# Altium PCB Fastino-DIOT.PCBDOC (part 14 of 22)
Units mm, origin at the board's own origin, x right, y up, seen from the top; angles counter-clockwise.
Board outline 222.63 x 100.1 mm, 8 copper layers (L1, L2, L3, P4, L5, L6, P7, L8), stack 1.563 mm thick; 1030 components, 787 nets, 3312 pads, 2498 vias.
Unrouted connection lines stored in the file: 424.
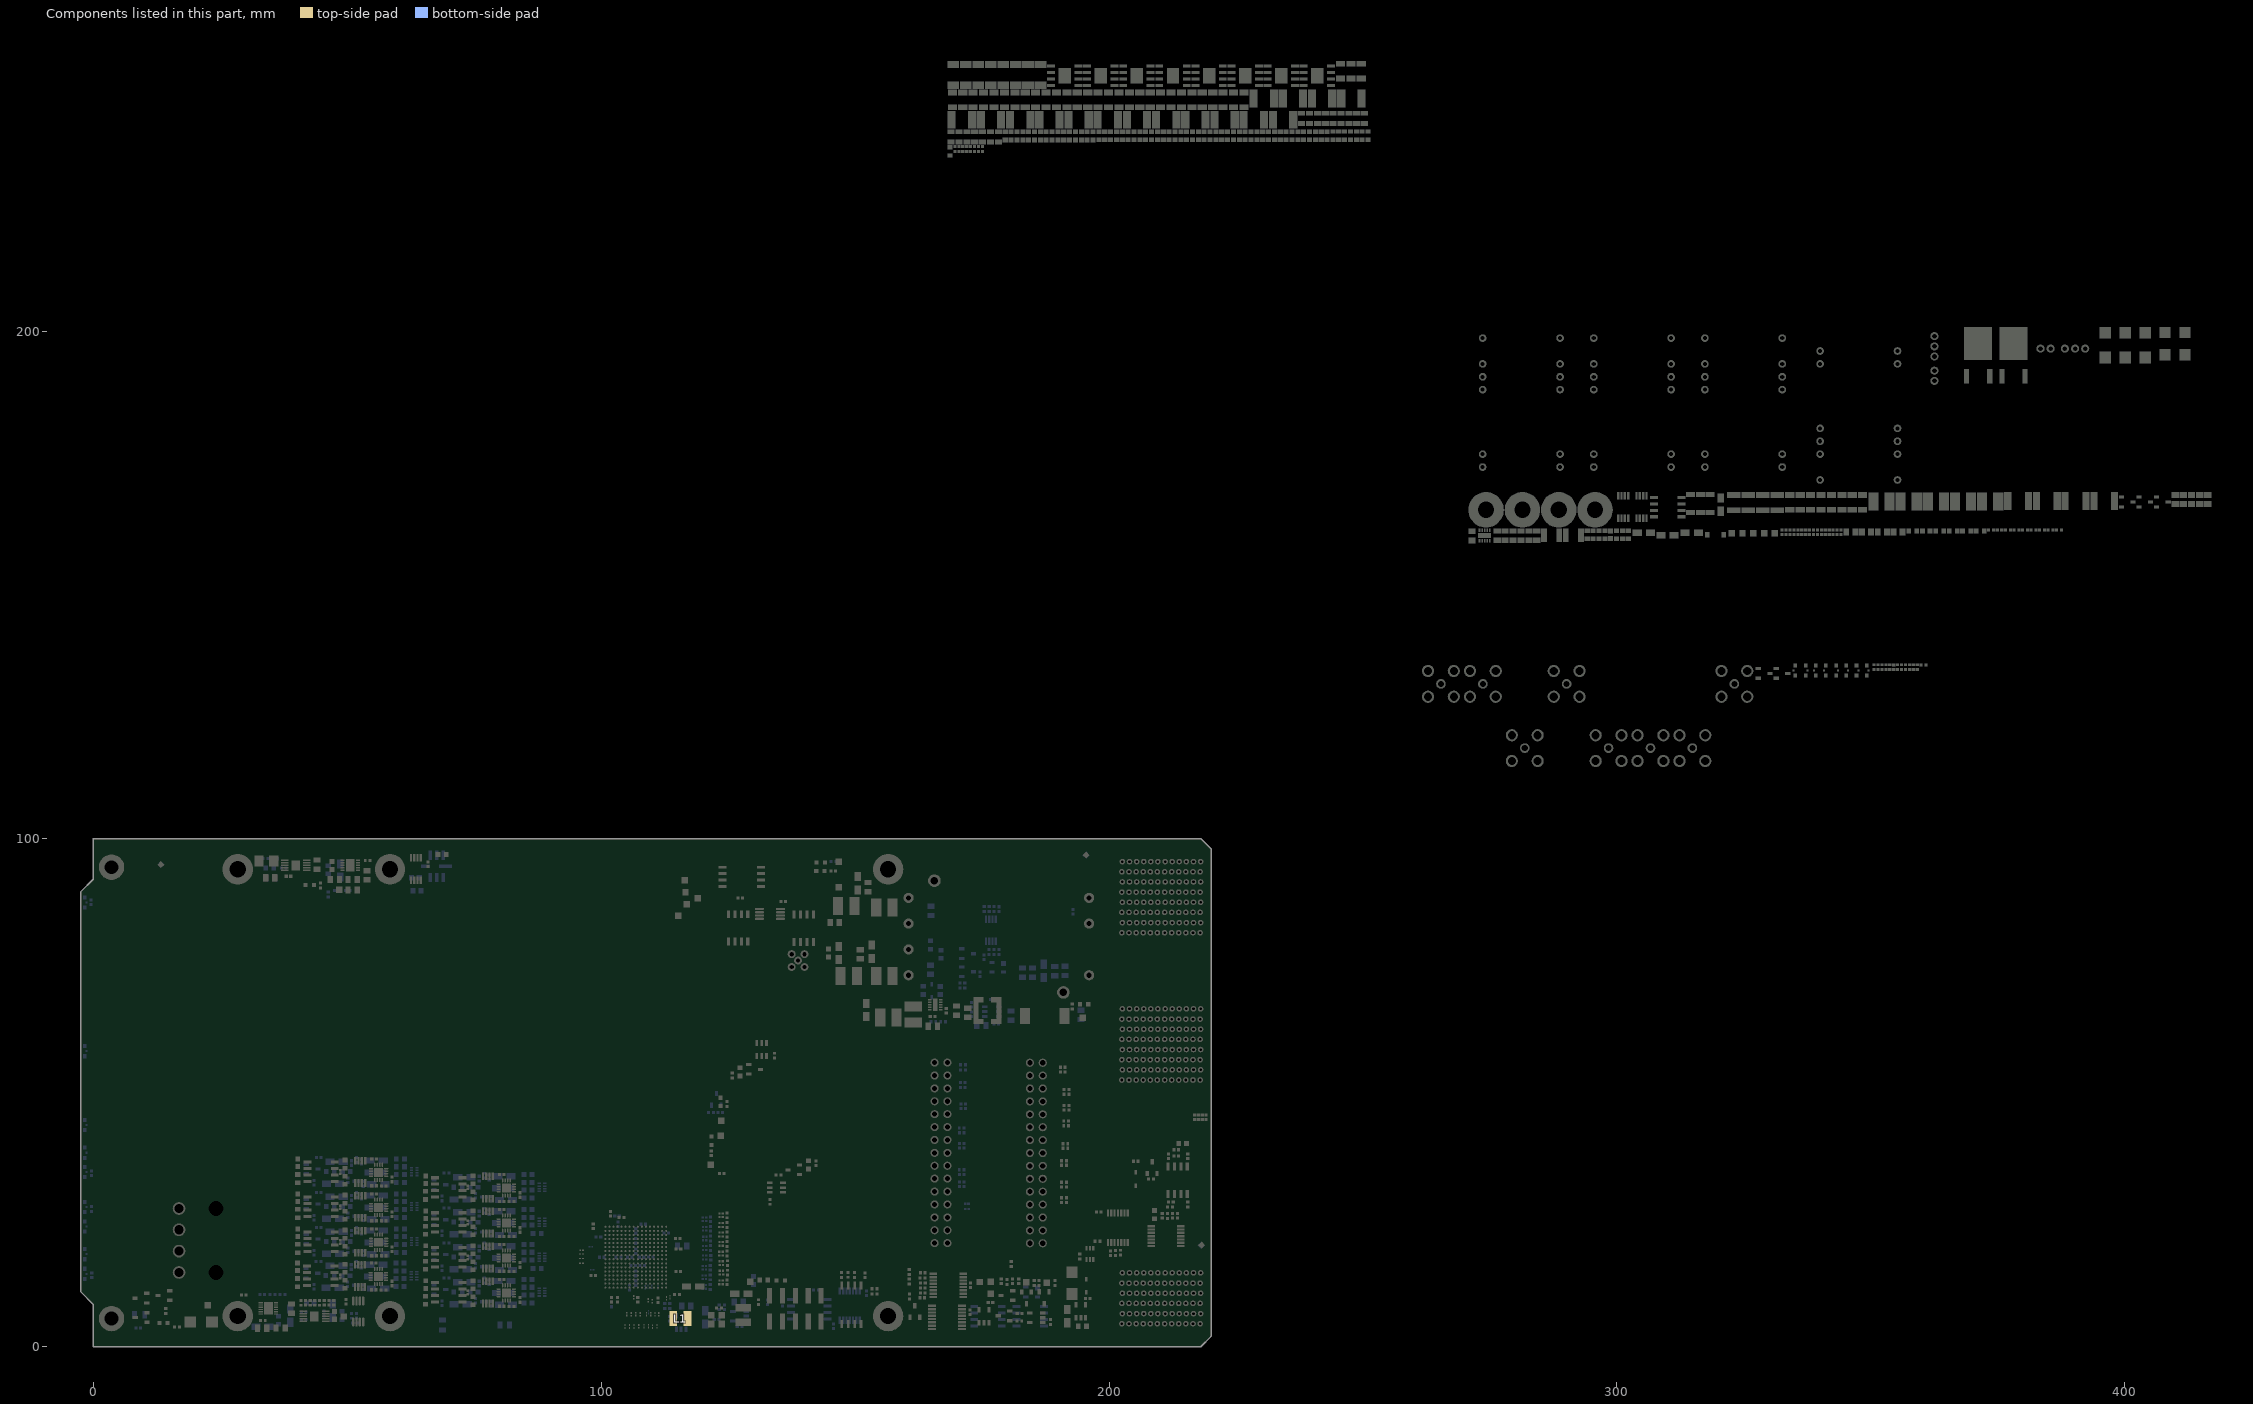
[diagram p20: the components of this part, seen from the top]

## Via types
v1: diameter 0.4, hole 0.2, L1 to L8, tented both sides, 1919 vias
v2: diameter 0.5, hole 0.2, L1 to L8, tented both sides, 270 vias
v3: diameter 0.4, hole 0.2, L1 to L8, 170 vias
v4: diameter 0.7, hole 0.4, L1 to L8, tented both sides, 110 vias
v5: diameter 0.7, hole 0.4, L1 to L8, 29 vias

## Nets (pads, with @x,y where several pads share a name; then routed paths per layer and width w, separated by ;. In a path a pad name is that pad's centre, name@x,y a point inside that pad or via, vN(x,y) a via of type N, cw(c..) or ccw(c..) an arc to the next point about the centre after c; other vN are vias at no path point) (continued)
copper on no net: (continued)
  L1 w0.127: v1(8.176,79.848) 8.227,79.9 11.953,79.9 12.005,79.848 12.328,79.848 12.38,79.9 18.11,79.9 ; v1(8.296,20.366) 8.299,20.363 8.985,20.363 9.049,20.3 15.6,20.3 ; v1(9.195,25.349) 12.244,22.3 18.11,22.3 ; v1(9.617,19.909) 11.593,19.909 11.673,19.99 13.515,19.99 13.605,19.9 18.11,19.9 ; v1(10.074,41.596) 10.081,41.589 10.627,41.589 10.716,41.5 11.948,41.5 11.954,41.494 12.278,41.494 12.283,41.5 18.11,41.5 ; v1(10.074,60.163) 12.776,60.163 12.912,60.3 15.6,60.3 ; v1(10.465,41.199) 10.564,41.1 15.6,41.1 ; v1(10.855,62.29) 10.865,62.3 18.11,62.3 ; v1(11.074,21.488) 11.084,21.498 18.108,21.498 18.11,21.5 ; v1(11.255,40.319) 11.297,40.361 11.759,40.361 11.801,40.319 12.124,40.319 12.166,40.361 13.13,40.361 13.19,40.3 15.6,40.3 ; v1(11.312,59.773) 11.365,59.825 11.625,59.825 11.701,59.9 18.11,59.9 ; v1(11.557,21.107) 11.561,21.104 15.596,21.104 15.6,21.1 ; v1(12.116,41.885) 12.123,41.892 15.592,41.892 15.6,41.9 ; v1(12.167,80.239) 12.197,80.269 15.569,80.269 15.6,80.3 ; v1(12.344,39.97) 12.397,39.918 12.505,39.918 12.523,39.9 18.11,39.9 ; v1(12.506,42.393) 14.666,42.393 14.758,42.3 18.11,42.3 ; 18.11,77.5 18.775,77.5 18.878,77.603 18.878,77.652 18.986,77.76 19.687,77.76 19.936,77.511 19.936,77.267 19.602,76.933 19.602,76.648 19.482,76.528 v1(19.482,76.454) ; 18.11,78.3 18.775,78.3 18.878,78.197 18.878,78.148 18.986,78.04 19.803,78.04 20.215,77.627 20.215,77.151 19.881,76.817 19.881,76.558 20.001,76.438 v1(20.001,76.364) ; 39.522,40.25 39.522,38.615 39.695,38.442 41.499,38.442 41.676,38.62 41.676,39.28 41.803,39.407 ; 39.522,60.956 39.522,59.398 39.772,59.148 41.525,59.148 41.702,59.326 41.702,59.986 41.829,60.113 ; 39.573,81.585 39.654,81.504 40.833,81.504 41.138,81.808 41.138,84.028 41.678,84.568 42.153,84.568 ; 39.949,60.799 40.839,60.799 41.028,60.988 ; 40.056,79.807 39.773,79.807 39.564,80.016 39.564,81.585 39.564,85.723 39.781,85.94 45.572,85.94 46.588,84.924 46.588,84.189 46.699,84.078 50.133,84.078 50.862,83.349 51.956,83.349 52.65,84.042 52.65,84.112 52.884,84.346 52.884,85.396 53.119,85.631 53.119,85.7 53.23,85.812 54.092,85.812 54.236,85.668 54.448,85.668 54.596,85.519 54.596,85.45 54.843,85.203 ; 40.056,79.808 41.525,79.808 41.702,79.986 41.702,80.646 41.829,80.773 ; 40.64,44.24 43.848,44.24 43.852,44.244 45.209,44.244 45.889,43.565 45.889,43.137 46.568,42.458 48.875,42.458 48.923,42.41 49.367,42.41 49.627,42.151 ; 40.666,51.173 43.874,51.173 43.878,51.177 45.235,51.177 45.915,50.497 45.915,50.07 46.594,49.391 48.901,49.391 48.949,49.343 49.393,49.343 49.653,49.083 ; 40.666,58.059 43.874,58.059 43.878,58.063 45.235,58.063 45.915,57.384 45.915,56.957 46.594,56.277 48.901,56.277 48.949,56.229 49.393,56.229 49.653,55.97 ; 40.666,64.946 43.874,64.946 43.878,64.95 45.235,64.95 45.915,64.27 45.915,63.843 46.594,63.164 48.901,63.164 48.949,63.116 49.393,63.116 49.653,62.856 ; 40.666,71.832 43.874,71.832 43.878,71.836 45.235,71.836 45.915,71.157 45.915,70.73 46.594,70.05 48.901,70.05 48.949,70.003 49.393,70.003 49.653,69.743 ; 40.666,78.719 43.874,78.719 43.878,78.723 45.235,78.723 45.915,78.043 45.915,77.616 46.594,76.937 48.901,76.937 48.949,76.889 49.393,76.889 49.653,76.63 ; 40.666,85.606 43.874,85.606 43.878,85.61 45.235,85.61 45.915,84.93 45.915,84.503 46.594,83.824 48.901,83.824 48.949,83.776 49.393,83.776 49.653,83.516 ; 41.702,55.665 41.553,55.515 41.442,55.515 40.945,55.019 40.945,53.999 40.845,53.899 39.735,53.899 39.522,54.111 ; 41.702,62.552 41.142,62.552 ; 41.829,46.34 41.702,46.213 41.702,45.553 41.525,45.375 39.721,45.375 39.548,45.548 39.548,47.199 39.564,47.183 ; 41.829,53.227 41.702,53.1 41.702,52.439 41.525,52.261 39.721,52.261 39.522,52.46 39.522,54.111 ; 41.829,67 41.702,66.873 41.702,66.212 41.525,66.035 39.721,66.035 39.564,66.192 39.564,67.843 ; 41.829,73.886 41.702,73.759 41.702,73.099 41.525,72.921 39.772,72.921 39.564,73.129 39.564,74.729 ; 42.041,56.91 42.153,57.022 ; 42.127,43.203 41.652,43.203 41.112,42.662 41.112,40.443 40.807,40.139 39.65,40.139 39.538,40.25 39.538,40.615 39.538,44.357 39.755,44.574 45.546,44.574 46.562,43.558 46.562,42.824 46.673,42.712 50.107,42.712 50.835,41.983 51.93,41.983 52.624,42.677 52.624,42.746 52.858,42.981 52.858,44.031 53.093,44.265 53.093,44.335 53.204,44.446 54.066,44.446 54.21,44.302 54.421,44.302 54.57,44.152 54.57,44.084 54.817,43.838 ; 42.153,50.135 41.678,50.135 41.138,49.595 41.138,47.375 40.833,47.071 39.676,47.071 39.564,47.183 ; 42.153,63.908 41.678,63.908 41.142,63.373 41.142,62.552 ; 42.153,70.795 41.678,70.795 41.138,70.254 41.138,68.035 40.833,67.731 39.676,67.731 39.564,67.843 ; 42.153,77.682 41.678,77.682 41.138,77.141 41.138,74.922 40.833,74.618 39.676,74.618 39.564,74.729 ; 45.568,58.369 45.556,58.357 39.745,58.357 39.522,58.135 39.522,54.111 ; 45.572,58.393 46.588,57.378 46.588,56.643 46.699,56.531 50.133,56.531 50.862,55.803 51.956,55.803 52.65,56.496 52.65,56.565 52.884,56.8 52.884,57.85 53.119,58.084 53.119,58.154 53.23,58.265 54.092,58.265 54.236,58.121 54.447,58.121 54.596,57.972 54.596,57.903 54.843,57.657 ; v2(46.029,69.855) 46.385,69.5 47.553,69.5 ; v2(46.029,76.742) 46.385,76.386 47.553,76.386 ; v2(46.029,83.628) 46.385,83.273 47.553,83.273 ; 46.402,39.629 47.291,39.629 47.527,39.393 ; 46.428,46.562 47.317,46.562 47.553,46.325 ; 46.428,53.448 47.317,53.448 47.553,53.212 ; 46.428,60.335 47.317,60.335 47.553,60.098 ; 46.428,67.221 47.317,67.221 47.553,66.985 ; 46.428,74.108 47.317,74.108 47.553,73.872 ; 46.428,80.995 47.317,80.995 47.553,80.758 ; 47.527,40.663 47.712,40.848 48.483,40.848 48.603,40.968 ; 47.527,43.203 47.711,43.386 ; 47.553,47.595 47.79,47.832 48.576,47.832 48.603,47.859 ; 47.553,50.135 47.737,50.319 ; 47.553,54.482 47.79,54.718 48.442,54.718 48.603,54.88 48.603,54.901 ; 47.553,57.022 47.737,57.205 ; 47.553,61.368 47.697,61.512 48.483,61.512 48.603,61.632 ; 47.553,63.908 47.737,64.092 ; 47.553,70.795 47.737,70.978 ; 47.553,77.682 47.737,77.865 ; 47.553,84.568 47.737,84.752 ; 49.338,43.386 49.566,43.386 49.652,43.471 ; 49.364,50.319 49.592,50.319 49.678,50.404 ; 49.364,57.205 49.592,57.205 49.678,57.291 ; 49.364,64.092 49.592,64.092 49.678,64.177 ; 49.364,70.978 49.592,70.978 49.678,71.064 ; 49.364,77.865 49.592,77.865 49.678,77.95 ; 49.364,84.752 49.592,84.752 49.678,84.837 ; 49.788,43.99 49.839,43.939 50.448,43.939 50.955,44.446 51.862,44.446 51.974,44.335 51.974,44.265 52.208,44.031 ; 49.814,50.923 49.865,50.872 50.474,50.872 50.981,51.379 51.888,51.379 52,51.267 52,51.198 52.234,50.963 ; 49.814,57.809 49.865,57.758 50.474,57.758 50.981,58.265 51.888,58.265 52,58.154 52,58.084 52.234,57.85 ; 49.814,64.696 49.865,64.645 50.474,64.645 50.981,65.152 51.888,65.152 52,65.04 52,64.971 52.234,64.736 ; 49.814,71.582 49.865,71.532 50.474,71.532 50.981,72.039 51.888,72.039 52,71.927 52,71.858 52.234,71.623 ; 49.814,78.469 49.865,78.418 50.474,78.418 50.981,78.925 51.888,78.925 52,78.814 52,78.744 52.234,78.51 ; 49.814,85.356 49.865,85.305 50.474,85.305 50.981,85.812 51.888,85.812 52,85.7 52,85.631 52.234,85.396 ; 51.41,43.15 51.462,43.099 ; 51.436,50.083 51.488,50.031 ; 51.436,56.969 51.488,56.918 ; 51.436,63.856 51.488,63.804 ; 51.436,70.742 51.488,70.691 ; 51.436,77.629 51.488,77.578 ; 51.436,84.516 51.488,84.464 ; v2@51.54,40.603 v2@51.59,40.603 ; v2@51.566,47.535 v2@51.617,47.535 ; v2@51.566,54.422 v2@51.617,54.422 ; v2@51.566,61.309 v2@51.617,61.309 ; v2@51.566,68.195 v2@51.617,68.195 ; v2@51.566,75.082 v2@51.617,75.082 ; v2@51.566,81.968 v2@51.617,81.968 ; 51.637,38.7 51.72,38.617 ; 51.663,45.633 51.746,45.55 ; 51.663,52.519 51.746,52.436 ; 51.663,59.406 51.746,59.323 ; 51.663,66.292 51.746,66.21 ; 51.663,73.179 51.746,73.096 ; 51.663,80.066 51.746,79.983 ; 52.047,43.344 52.208,43.506 52.208,44.031 ; 52.073,50.277 52.234,50.438 52.234,50.963 ; 52.073,57.163 52.234,57.325 52.234,57.85 ; 52.073,64.05 52.234,64.211 52.234,64.736 ; 52.073,70.937 52.234,71.098 52.234,71.623 ; 52.073,77.823 52.234,77.985 52.234,78.51 ; 52.073,84.71 52.234,84.871 52.234,85.396 ; 53.347,42.582 53.347,43.344 53.508,43.506 ; 53.373,49.514 53.373,50.277 53.534,50.438 ; 53.373,56.401 53.373,57.163 53.534,57.325 ; 53.373,63.288 53.373,64.05 53.534,64.211 ; 53.373,70.174 53.373,70.937 53.534,71.098 ; 53.373,77.061 53.373,77.823 53.534,77.985 ; 53.373,83.947 53.373,84.71 53.534,84.871 ; 54.404,41.45 54.563,41.45 ; 54.43,48.383 54.589,48.383 ; 54.43,55.269 54.589,55.269 ; 54.43,62.156 54.589,62.156 ; 54.43,69.042 54.589,69.042 ; 54.43,75.929 54.589,75.929 ; 54.43,82.816 54.589,82.816 ; 54.563,41.475 54.639,41.475 ; 54.589,48.408 54.665,48.408 ; 54.589,55.295 54.665,55.295 ; 54.589,62.181 54.665,62.181 ; 54.589,69.068 54.665,69.068 ; 54.589,75.954 54.665,75.954 ; 54.589,82.841 54.665,82.841 ; 54.841,38.544 55.252,38.133 55.252,38.126 ; 54.843,50.77 54.596,51.017 54.596,51.085 54.447,51.235 54.236,51.235 54.092,51.379 53.23,51.379 53.119,51.267 53.119,51.198 52.884,50.963 52.884,49.913 52.65,49.679 52.65,49.609 51.956,48.916 50.862,48.916 50.133,49.645 46.699,49.645 46.588,49.756 46.588,50.491 45.572,51.507 39.781,51.507 39.564,51.29 39.564,47.183 ; 54.843,64.543 54.596,64.79 54.596,64.858 54.447,65.008 54.236,65.008 54.092,65.152 53.23,65.152 53.119,65.04 53.119,64.971 52.884,64.736 52.884,63.686 52.65,63.452 52.65,63.383 51.956,62.689 50.862,62.689 50.133,63.418 46.699,63.418 46.588,63.529 46.588,64.264 45.572,65.28 39.781,65.28 39.564,65.063 39.564,60.956 39.676,60.844 39.949,60.844 40.833,60.844 41.003,61.014 41.003,61.588 41.003,62.412 41.142,62.552 ; 54.843,71.43 54.596,71.676 54.595,71.676 54.377,71.895 54.236,71.895 54.092,72.039 53.23,72.039 53.119,71.927 53.119,71.858 52.884,71.623 52.884,70.573 52.65,70.339 52.65,70.269 51.956,69.576 50.862,69.576 50.133,70.304 46.699,70.304 46.588,70.416 46.588,71.151 45.572,72.167 39.781,72.167 39.564,71.95 39.564,67.843 ; 54.843,78.317 54.596,78.563 54.596,78.631 54.447,78.781 54.236,78.781 54.092,78.925 53.23,78.925 53.119,78.814 53.119,78.744 52.884,78.51 52.884,77.46 52.65,77.225 52.65,77.156 51.956,76.462 50.862,76.462 50.133,77.191 46.699,77.191 46.588,77.303 46.588,78.037 45.572,79.053 39.781,79.053 39.564,78.836 39.564,74.729 ; 54.867,45.476 55.278,45.065 55.278,45.058 ; 54.867,52.363 55.278,51.952 55.278,51.945 ; 54.867,59.25 55.278,58.839 55.278,58.831 ; 54.867,66.136 55.278,65.725 55.278,65.718 ; 54.867,73.023 55.278,72.612 55.278,72.605 ; 54.867,79.909 55.278,79.498 55.278,79.491 ; 55.409,39.475 55.409,39.695 ; v3@55.409,42.006 v3@55.544,41.871 ; 55.435,46.408 55.435,46.627 ; v3@55.435,48.939 v3@55.57,48.804 ; 55.435,53.294 55.435,53.514 ; v3@55.435,55.825 v3@55.57,55.69 ; 55.435,60.181 55.435,60.4 ; v3@55.435,62.712 v3@55.57,62.577 ; 55.435,67.067 55.435,67.287 ; v3@55.435,69.598 v3@55.57,69.464 ; 55.435,73.954 55.435,74.174 ; v3@55.435,76.485 v3@55.57,76.35 ; 55.435,80.841 55.435,81.06 ; v3@55.435,83.372 v3@55.57,83.237 ; 55.655,44.015 55.539,44.015 54.98,44.574 54.297,44.574 54.171,44.7 52.808,44.7 52.443,44.335 52.443,44.265 52.208,44.031 ; 55.681,50.948 55.565,50.948 55.006,51.507 54.323,51.507 54.197,51.633 52.834,51.633 52.469,51.267 52.469,51.198 52.234,50.963 ; 55.681,57.835 55.565,57.835 55.006,58.393 54.323,58.393 54.197,58.519 52.834,58.519 52.469,58.154 52.469,58.084 52.234,57.85 ; 55.681,64.721 55.565,64.721 55.006,65.28 54.323,65.28 54.197,65.406 52.834,65.406 52.469,65.04 52.469,64.971 52.234,64.736 ; 55.681,71.608 55.565,71.608 55.006,72.167 54.323,72.167 54.197,72.293 52.834,72.293 52.469,71.927 52.469,71.858 52.234,71.623 ; 55.681,78.494 55.565,78.494 55.006,79.053 54.323,79.053 54.197,79.179 52.834,79.179 52.469,78.814 52.469,78.744 52.234,78.51 ; 55.681,85.381 55.565,85.381 55.006,85.94 54.323,85.94 54.197,86.066 52.834,86.066 52.469,85.7 52.469,85.631 52.234,85.396 ; 55.884,42.901 56.948,43.965 v1(58.348,43.965) ; 55.91,49.833 56.974,50.897 v1(58.374,50.897) ; 55.91,56.72 56.974,57.784 v1(58.374,57.784) ; 55.91,63.606 56.974,64.67 v1(58.374,64.67) ; 55.91,70.493 56.974,71.557 v1(58.374,71.557) ; 55.91,77.38 56.974,78.444 v1(58.374,78.444) ; 55.91,84.266 56.974,85.33 v1(58.374,85.33) ; 56.7,38.544 56.7,38.524 ; 56.726,45.476 56.726,45.456 ; 56.726,52.363 56.726,52.343 ; 56.726,59.25 56.726,59.23 ; 56.726,66.136 56.726,66.116 ; 56.726,73.023 56.726,73.003 ; 56.726,79.909 56.726,79.889 ; 57.027,42.72 v1(58.348,42.72) ; 57.053,49.653 v1(58.374,49.653) ; 57.053,56.539 v1(58.374,56.539) ; 57.053,63.426 v1(58.374,63.426) ; 57.053,70.312 v1(58.374,70.312) ; 57.053,77.199 v1(58.374,77.199) ; 57.053,84.086 v1(58.374,84.086) ; 57.435,67.957 57.515,68.037 57.685,68.037 ; 57.435,74.844 57.515,74.924 57.685,74.924 ; 57.435,81.73 57.515,81.81 57.685,81.81 ; 57.457,38.747 57.704,38.747 ; 57.483,45.68 57.73,45.68 ; 57.483,52.566 57.73,52.566 ; 57.483,59.453 57.73,59.453 ; 57.483,66.339 57.73,66.339 ; 57.483,73.226 57.73,73.226 ; 57.483,80.113 57.73,80.113 ; 57.586,41.933 57.631,41.978 58.192,41.978 58.274,42.06 v1(58.348,42.06) ; 57.612,48.865 57.657,48.91 58.218,48.91 58.3,48.992 v1(58.374,48.992) ; 57.612,55.752 57.657,55.797 58.218,55.797 58.3,55.879 v1(58.374,55.879) ; 57.612,62.638 57.657,62.683 58.218,62.683 58.3,62.765 v1(58.374,62.765) ; 57.612,69.525 57.657,69.57 58.218,69.57 58.3,69.652 v1(58.374,69.652) ; 57.612,76.412 57.657,76.457 58.218,76.457 58.3,76.539 v1(58.374,76.539) ; 57.612,83.298 57.657,83.343 58.218,83.343 58.3,83.425 v1(58.374,83.425) ; 57.659,41.945 57.692,41.911 ; 57.685,48.877 57.718,48.844 ; 57.685,55.764 57.718,55.731 ; 57.685,62.65 57.718,62.617 ; 57.685,69.537 57.718,69.504 ; 57.685,76.424 57.718,76.39 ; 57.685,83.31 57.718,83.277 ; 57.738,40.967 57.979,40.967 58.155,41.144 58.295,41.144 v1(58.348,41.196) ; 57.764,47.9 58.005,47.9 58.181,48.076 58.321,48.076 v1(58.374,48.129) ; 57.764,54.787 58.005,54.787 58.181,54.963 58.321,54.963 v1(58.374,55.015) ; 57.764,61.673 58.005,61.673 58.181,61.849 58.321,61.849 v1(58.374,61.902) ; 57.764,68.56 58.005,68.56 58.181,68.736 58.321,68.736 v1(58.374,68.788) ; 57.764,75.446 58.005,75.446 58.181,75.623 58.321,75.623 v1(58.374,75.675) ; 57.764,82.333 58.005,82.333 58.181,82.509 58.321,82.509 v1(58.374,82.562) ; 58.669,39.396 58.832,39.233 v1(58.832,38.827) ; v1(58.695,45.705) 58.695,46.329 ; v1(58.695,52.592) 58.695,53.216 ; v1(58.695,59.478) 58.695,60.102 ; v1(58.695,66.365) 58.695,66.989 ; v1(58.695,73.251) 58.695,73.875 ; v1(58.695,80.138) 58.695,80.762 ; 63.386,4.369 63.446,4.309 64.881,4.309 ; 65.405,47.473 65.515,47.473 66.096,48.054 70.356,48.054 70.36,48.058 71.04,47.378 71.04,46.951 71.719,46.272 74.026,46.272 74.074,46.224 74.518,46.224 74.778,45.965 ; 65.481,68.148 65.53,68.148 66.096,68.714 70.356,68.714 70.36,68.718 71.04,68.038 71.04,67.611 71.719,66.932 74.026,66.932 74.074,66.884 74.518,66.884 74.778,66.624 ; 65.507,40.615 65.543,40.615 66.096,41.167 70.356,41.167 70.36,41.171 71.04,40.492 71.04,40.065 71.719,39.385 74.026,39.385 74.074,39.337 74.518,39.337 74.778,39.078 ; 65.507,61.341 65.61,61.341 66.096,61.827 70.356,61.827 70.36,61.831 71.04,61.152 71.04,60.725 71.719,60.045 74.026,60.045 74.074,59.997 74.518,59.997 74.778,59.738 ; 65.583,54.508 65.664,54.508 66.096,54.94 70.356,54.94 70.36,54.944 71.04,54.265 71.04,53.838 71.719,53.159 74.026,53.159 74.074,53.111 74.518,53.111 74.778,52.851 ; 65.634,82.144 65.77,82.144 66.096,82.469 70.356,82.469 70.36,82.473 71.04,81.794 71.04,81.367 71.719,80.688 74.026,80.688 74.073,80.64 74.518,80.64 74.777,80.38 ; 65.684,88.919 65.867,89.102 65.988,89.102 66.234,89.348 66.688,89.348 66.696,89.356 70.356,89.356 70.36,89.36 71.04,88.681 71.04,88.254 71.719,87.574 74.026,87.574 74.073,87.526 74.518,87.526 74.777,87.267 ; 65.811,75.235 65.811,75.298 65.842,75.329 65.905,75.329 66.159,75.583 70.356,75.583 70.36,75.587 71.04,74.907 71.04,74.48 71.719,73.801 74.026,73.801 74.073,73.753 74.518,73.753 74.777,73.494 ; 66.777,50.216 66.777,49.098 66.446,48.768 64.922,48.768 64.592,49.098 64.592,50.844 ; 66.777,59.334 66.618,59.334 66.567,59.283 66.567,58.883 66.313,58.629 66.313,57.775 65.942,57.404 64.919,57.404 64.668,57.655 ; 66.802,38.964 66.567,38.728 66.567,38.223 66.208,37.864 66.208,37.011 65.85,36.652 65.011,36.652 64.541,37.122 ; 66.827,56.769 66.593,56.769 66.567,56.743 66.567,56.429 65.789,55.651 65.072,55.651 64.668,56.055 64.668,57.655 ; 66.853,70.815 66.853,69.698 66.624,69.469 64.922,69.469 64.618,69.774 64.618,71.399 ; 66.878,77.572 66.878,76.86 66.396,76.378 64.846,76.378 64.618,76.606 64.618,78.283 ; 66.878,80.188 66.829,80.188 66.567,79.926 66.567,79.876 66.218,79.527 66.218,78.323 65.899,78.003 64.897,78.003 64.618,78.283 ; 66.954,43.155 66.751,43.155 66.567,42.97 66.567,42.656 65.846,41.935 64.973,41.935 64.541,42.367 64.541,43.891 ; 66.954,45.618 66.675,45.618 66.567,45.51 66.567,45.109 66.313,44.855 66.313,44.002 65.846,43.536 64.897,43.536 64.541,43.891 ; 66.954,84.524 66.827,84.397 66.827,83.736 66.327,83.236 64.795,83.236 64.541,83.49 64.541,85.242 ; 67.005,73.177 66.705,73.177 66.567,73.039 66.567,72.638 66.313,72.384 66.313,71.531 65.954,71.173 64.844,71.173 64.618,71.399 ; v3(67.081,5.309) 69.281,5.309 ; 67.081,66.446 66.843,66.446 66.567,66.17 66.567,65.813 66.313,65.559 66.313,64.662 65.862,64.211 64.973,64.211 64.516,64.668 ; 67.166,40.018 67.278,40.13 ; 67.166,46.904 67.278,47.016 ; 67.166,60.678 67.278,60.79 ; 67.166,67.564 67.278,67.676 ; 67.166,74.433 67.278,74.545 ; 67.166,81.32 67.278,81.432 ; 67.208,52.578 66.748,52.578 66.567,52.397 66.567,52.094 66.313,51.84 66.313,50.888 65.869,50.444 64.992,50.444 64.592,50.844 ; 67.208,86.995 66.749,86.995 66.567,86.812 66.567,86.412 66.243,86.088 66.243,85.235 65.946,84.938 64.846,84.938 64.541,85.242 ; 67.234,63.83 66.767,63.83 66.567,63.63 66.567,63.265 65.938,62.636 64.694,62.636 64.516,62.814 64.516,64.668 ; 67.97,36.398 66.888,36.398 66.573,36.083 66.573,35.077 66.396,34.9 64.948,34.9 64.541,35.306 64.541,37.122 ; v2(71.154,39.19) 71.51,38.834 72.678,38.834 ; v2(71.154,46.077) 71.51,45.721 72.678,45.721 ; v2(71.154,52.963) 71.51,52.608 72.678,52.608 ; v2(71.154,59.85) 71.51,59.494 72.678,59.494 ; v2(71.154,66.736) 71.51,66.381 72.678,66.381 ; v2(71.154,73.606) 71.51,73.25 72.678,73.25 ; v2(71.154,80.492) 71.51,80.137 72.678,80.137 ; v2(71.154,87.379) 71.51,87.023 72.678,87.023 ; 71.553,36.556 72.442,36.556 72.678,36.32 ; 71.553,43.443 72.442,43.443 72.678,43.206 ; 71.553,50.33 72.442,50.33 72.678,50.093 ; 71.553,57.216 72.442,57.216 72.678,56.98 ; 71.553,64.103 72.442,64.103 72.678,63.866 ; 71.553,70.972 72.442,70.972 72.678,70.735 ; 71.553,77.859 72.442,77.859 72.678,77.622 ; 71.553,84.745 72.442,84.745 72.678,84.509 ; 72.678,37.59 72.822,37.733 73.567,37.733 73.728,37.895 ; 72.678,38.86 72.822,38.716 73.567,38.716 73.728,38.555 ; 72.678,40.13 72.862,40.313 ; 72.678,44.476 72.822,44.62 73.696,44.62 73.857,44.781 ; 72.678,45.746 72.822,45.603 73.696,45.603 73.857,45.441 ; 72.678,47.016 72.862,47.2 ; 72.678,51.363 72.78,51.465 73.643,51.465 73.805,51.626 ; 72.678,52.633 72.863,52.448 73.643,52.448 73.805,52.286 ; 72.678,53.903 72.862,54.086 ; 72.678,58.25 72.78,58.352 73.643,58.352 73.805,58.513 ; 72.678,59.52 72.863,59.335 73.643,59.335 73.805,59.173 ; 72.678,60.79 72.862,60.973 ; 72.678,67.676 72.862,67.86 ; 72.678,72.005 73.153,72.005 73.458,72.31 73.857,72.31 ; 72.678,74.545 72.861,74.729 ; 72.678,80.162 72.915,79.926 73.66,79.926 73.728,79.857 ; 72.678,81.432 72.861,81.615 ; 72.678,85.779 72.822,85.922 73.567,85.922 73.728,86.084 ; 72.678,87.049 72.822,86.905 73.567,86.905 73.728,86.744 ; 72.678,88.319 72.861,88.502 ; 74.489,40.313 74.717,40.313 74.803,40.399 ; 74.489,47.2 74.717,47.2 74.803,47.285 ; 74.489,54.086 74.717,54.086 74.803,54.172 ; 74.489,60.973 74.717,60.973 74.803,61.059 ; 74.489,67.86 74.717,67.86 74.803,67.945 ; 74.489,74.729 74.717,74.729 74.803,74.814 ; 74.489,81.615 74.717,81.615 74.803,81.701 ; 74.489,88.502 74.717,88.502 74.803,88.588 ; 74.93,5.944 74.988,6.001 74.988,6.334 75.108,6.454 v1(75.108,6.528) ; 74.939,40.917 74.99,40.866 75.599,40.866 76.106,41.373 77.013,41.373 77.125,41.262 77.125,41.192 77.359,40.958 ; 74.939,47.804 74.99,47.753 75.599,47.753 76.106,48.26 77.013,48.26 77.125,48.148 77.125,48.079 77.359,47.845 ; 74.939,54.69 74.99,54.64 75.599,54.64 